# Altium PCB EDA-04211-V4_0_pcb.pcbdoc (part 10 of 12)
Units mm, origin at the board's own origin, x right, y up, seen from the top; angles counter-clockwise.
Board outline 304.8 x 128.5 mm, 14 copper layers (Top Layer, L2, L3GND, L4, L5GND, L6, L7GND, L8, L9GND, L10, L11GND, L12, L13GND, Bottom Layer), stack 4.06 mm thick; 143 components, 1224 nets, 5334 pads, 591 vias.
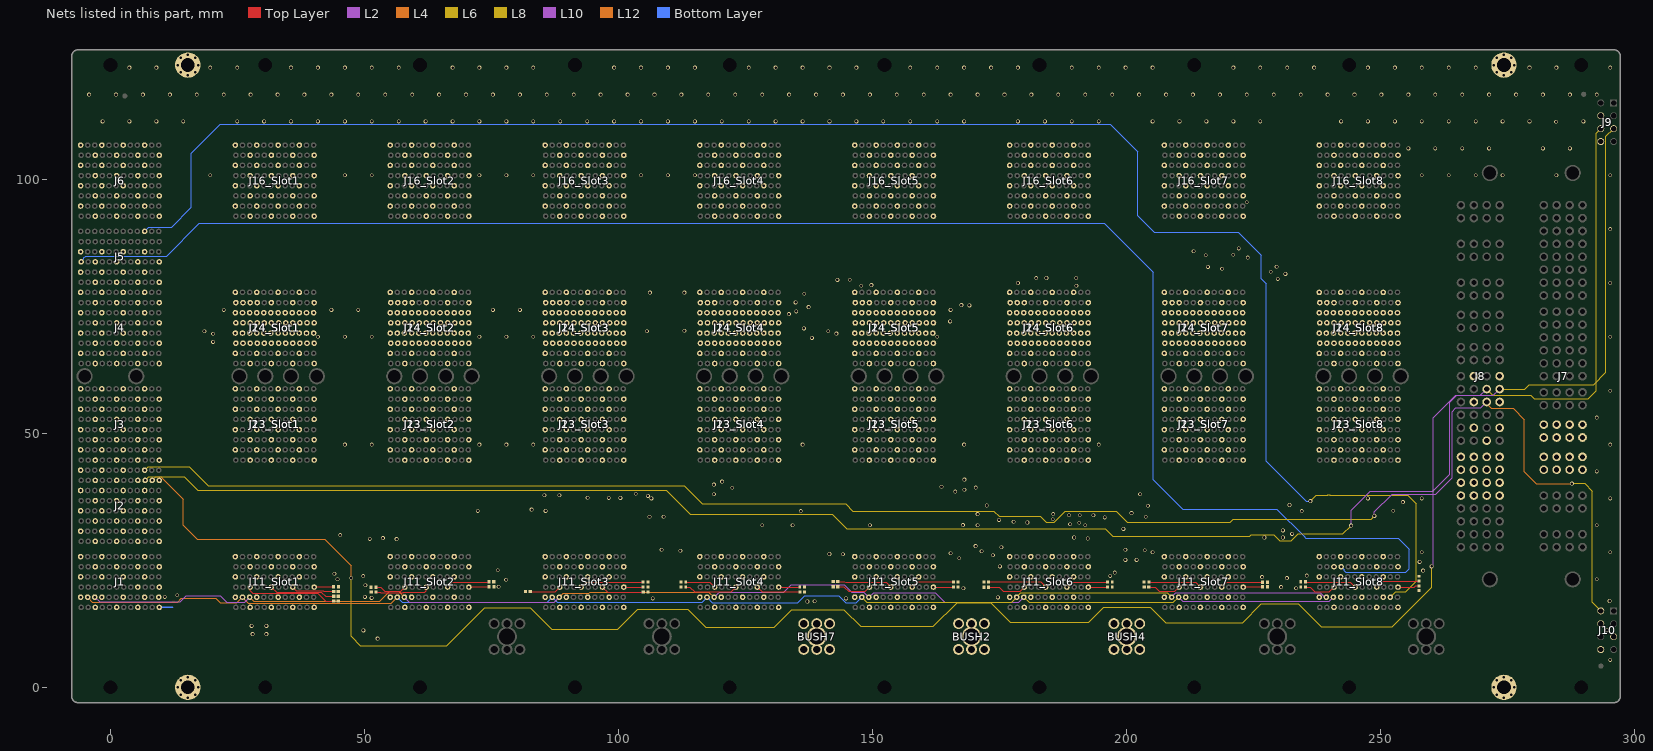
[diagram p22: the nets of this part, all layers, seen from the top]

## Via types
v1: diameter 0.75, hole 0.5, Top Layer to Bottom Layer, tented both sides, 549 vias
v2: diameter 0.85, hole 0.5, Top Layer to Bottom Layer, tented both sides, 32 vias
v3: diameter 1.3, hole 1, Top Layer to Bottom Layer, tented both sides, 10 vias

## Nets (pads, with @x,y where several pads share a name; then routed paths per layer and width w, separated by ;. In a path a pad name is that pad's centre, name@x,y a point inside that pad or via, vN(x,y) a via of type N, cw(c..) or ccw(c..) an arc to the next point about the centre after c; other vN are vias at no path point) (continued)
8_MGT_Tx_P: J5.A3 J11_Slot8.D5 | length 333.4
  Bottom Layer w0.15: J5.A3@-5.78,83.75 -5.206,84.324 -5.206,84.587 -4.884,84.91 11.118,84.91 17.529,91.321 195.649,91.321 205.25,81.72 205.25,40.876 211.042,35.084 229.628,35.084 234.891,29.822 235.342,29.371 253.54,29.371 255.694,27.217 255.694,26.912 255.694,24.217 255.694,23.351 255.023,22.68 243.175,22.68 242.871,22.984 242.871,23.139 J11_Slot8.D5@242.26,23.75
8_SERVMOD: J5.J6 J11_Slot8.K2 | length 349.5
  L8 w0.102: v1(236.211,36.661) 237.4,37.85 239.585,37.85 239.604,37.869 240.042,37.869 240.061,37.85 255.347,37.85 257.068,36.129 257.068,20.915 254.985,18.832 253.042,18.832 J11_Slot8.K2@251.96,17.75
  Bottom Layer w0.102: J5.J6@6.72,89.75 7.582,90.612 12.042,90.612 15.895,94.465 15.895,105.125 21.62,110.85 196.85,110.85 202.217,105.484 202.217,92.853 205.52,89.55 222.02,89.55 226.52,85.05 226.52,80.444 227.522,79.443 227.522,44.518 235.427,36.612 236.162,36.612 v1(236.211,36.661)
F_IO0: J2.K7 J8.B2 J9.6 | length 421.7
  L8 w0.15: J8.B2@270.93,58.72 272.15,57.5 279.6,57.5 280.3,56.8 290.9,56.8 292.5,58.4 292.5,109.098 J9.6@293.382,109.98
  L10 w0.102: v1(260.065,23.81) 260.42,24.165 260.42,53.086 264.82,57.486 269.696,57.486 J8.B2@270.93,58.72
  L12 w0.102: J2.K7@8.22,40.75 8.923,41.453 9.911,41.453 11.9,39.464 14.32,37.044 14.32,31.888 17.089,29.119 42.201,29.119 47.391,23.929 v1(47.391,21.524)
  L6 w0.102: v1(47.391,21.524) 47.391,10.044 49.211,8.224 66.19,8.224 73.64,15.674 82.598,15.674 86.848,11.424 99.845,11.424 103.79,15.369 113.637,15.369 117.15,11.856 130.68,11.856 134.117,15.293 144.396,15.293 147.706,11.983 161.973,11.983 166.655,16.664 173.327,16.664 177.17,12.821 192.58,12.821 195.56,15.801 204.696,15.801 207.752,12.745 222.882,12.745 226.548,16.41 233.855,16.41 238.308,11.957 252.346,11.957 260.065,19.676 v1(260.065,23.81)
F_IO1: J2.J8 J8.B3 J10.2 | length 347.3
  L2 w0.102: v1(248.82,33.75) 248.82,34.55 252.32,38.05 260.92,38.05 264.12,41.25 264.12,54.25 264.87,55 269.75,55 J8.B3@270.93,56.18
  L4 w0.15: J8.B3@270.93,56.18 270.93,55.822 271.852,54.9 276.114,54.9 278.31,52.705 278.31,42.432 280.642,40.1 v1(287.7,40.1)
  L6 w0.102: J2.J8@6.72,42.75 7.423,43.453 15.517,43.453 19.27,39.7 112.97,39.7 116.52,36.15 144.72,36.15 146.17,34.7 173.9,34.7 174.95,33.65 183.05,33.65 184.2,32.5 185.8,32.5 188,34.7 197.97,34.7 200.12,32.55 220.42,32.55 220.992,33.122 248.192,33.122 v1(248.82,33.75)
  L6 w0.15: v1(287.7,40.1) 287.732,40.132 290.21,40.132 291.7,38.642 291.7,16.742 J10.2@293.382,15.06
F_RST: J2.J7 J8.A2 J9.5 | length 365.7
  L2 w0.102: v1(244.22,31.85) 244.22,34.85 248.02,38.65 260.32,38.65 263.62,41.95 263.62,56.1 265.02,57.5 272.25,57.5 J8.A2@273.47,58.72
  L6 w0.102: J2.J7@6.82,40.75 7.523,41.453 14.516,41.453 17.169,38.8 109.37,38.8 114.12,34.05 142.12,34.05 144.92,31.25 195.82,31.25 197.32,29.75 224.32,29.75 224.598,30.028 228.962,30.028 230.14,28.85 232.45,28.85 233.85,30.25 242.62,30.25 v1(244.22,31.85)
  L6 w0.15: J8.A2@273.47,58.72 278.42,58.72 279.3,59.6 292,59.6 294.4,62 294.4,108.458 J9.5@295.922,109.98
"GA0_Peripheral Slot 1": C1.2 J11_Slot1.C3 | length 18
  Top Layer w0.102: J11_Slot1.C3@27.5,19.75 27.5,18.972 27.973,18.499 40.863,18.499 42.362,17 C1.2@43.95,17
"GA0_Peripheral Slot 2": J11_Slot2.C3 R2.2 | length 6.4
  Top Layer w0.102: R2.2@52.27,19.7 53.226,19.7 53.995,18.931 57.161,18.931 J11_Slot2.C3@57.98,19.75
"GA0_Peripheral Slot 3": C9.2 J11_Slot3.C3 | length 6.2
  Top Layer w0.102: C9.2@82.634,18.854 87.564,18.854 J11_Slot3.C3@88.46,19.75
"GA0_Peripheral Slot 4": J11_Slot4.C3 R6.2 | length 6.1
  Top Layer w0.102: R6.2@113.258,20.734 117.956,20.734 J11_Slot4.C3@118.94,19.75
"GA0_Peripheral Slot 5": C4.1 J11_Slot5.C3 | length 7
  Top Layer w0.102: C4.1@143.122,19.82 144.381,19.82 145.295,18.905 148.575,18.905 J11_Slot5.C3@149.42,19.75
"GA0_Peripheral Slot 6": J11_Slot6.C3 R11.1 | length 7.7
  Top Layer w0.102: R11.1@172.893,19.727 174.992,19.727 175.788,18.931 179.081,18.931 J11_Slot6.C3@179.9,19.75
"GA0_Peripheral Slot 7": C10.1 J11_Slot7.C3 | length 6.7
  Top Layer w0.102: C10.1@204.398,19.727 205.65,19.727 206.471,18.905 209.535,18.905 J11_Slot7.C3@210.38,19.75
"GA0_Peripheral Slot 8": J11_Slot8.C3 R17.1 | length 6.3
  Top Layer w0.102: R17.1@235.26,19.756 236.215,19.756 237.122,18.849 239.959,18.849 J11_Slot8.C3@240.86,19.75
"GA1_Peripheral Slot 1": C2.2 J11_Slot1.F3 | length 13
  Top Layer w0.102: J11_Slot1.F3@31.7,19.75 32.697,18.753 41.524,18.753 42.345,17.932 C2.2@43.951,17.932
"GA1_Peripheral Slot 2": C7.2 J11_Slot2.F3 | length 10.9
  Top Layer w0.102: C7.2@52.253,18.75 53.134,18.75 53.233,18.651 57.601,18.651 57.653,18.703 61.911,18.703 62.18,18.972 J11_Slot2.F3@62.18,19.75
"GA1_Peripheral Slot 3": J11_Slot3.F3 R4.2 | length 12.6
  Top Layer w0.102: J11_Slot3.F3@92.66,19.75 93.644,20.734 R4.2@104.877,20.734
"GA1_Peripheral Slot 4": J11_Slot4.F3 R7.2 | length 10.7
  Top Layer w0.102: R7.2@113.258,19.744 114.056,19.744 115,18.8 122.19,18.8 J11_Slot4.F3@123.14,19.75
"GA1_Peripheral Slot 5": C5.1 J11_Slot5.F3 | length 10.9
  Top Layer w0.102: C5.1@143.116,20.823 144.577,20.823 144.749,20.651 152.719,20.651 J11_Slot5.F3@153.62,19.75
"GA1_Peripheral Slot 6": C6.1 J11_Slot6.F3 | length 11.6
  Top Layer w0.102: C6.1@172.872,20.747 183.103,20.747 J11_Slot6.F3@184.1,19.75
"GA1_Peripheral Slot 7": J11_Slot7.F3 R14.1 | length 10.6
  Top Layer w0.102: R14.1@204.412,20.734 205.566,20.734 205.649,20.651 213.679,20.651 J11_Slot7.F3@214.58,19.75
"GA1_Peripheral Slot 8": J11_Slot8.F3 R18.1 | length 10.2
  Top Layer w0.102: R18.1@235.26,20.785 235.337,20.709 244.101,20.709 J11_Slot8.F3@245.06,19.75
"GA2_Peripheral Slot 1": C3.2 J11_Slot1.I3 | length 8.4
  Top Layer w0.102: J11_Slot1.I3@35.9,19.75 36.626,19.024 41.888,19.024 42.012,18.9 C3.2@43.95,18.9
"GA2_Peripheral Slot 2": C8.2 J11_Slot2.I3 | length 8.5
  Top Layer w0.102: J11_Slot2.I3@66.38,19.75 67.331,20.701 C8.2@74.501,20.701
"GA2_Peripheral Slot 3": C11.2 J11_Slot3.I3 | length 8.4
  Top Layer w0.102: J11_Slot3.I3@96.86,19.75 97.857,18.753 C11.2@104.877,18.753
"GA2_Peripheral Slot 4": C12.2 J11_Slot4.I3 | length 8.8
  Top Layer w0.102: J11_Slot4.I3@127.34,19.75 128.312,18.778 C12.2@135.719,18.778
"GA2_Peripheral Slot 5": J11_Slot5.I3 R9.1 | length 8.5
  Top Layer w0.102: J11_Slot5.I3@157.82,19.75 158.817,20.747 R9.1@165.926,20.747
"GA2_Peripheral Slot 6": J11_Slot6.I3 R12.1 | length 8.4
  Top Layer w0.102: J11_Slot6.I3@188.3,19.75 189.259,20.709 R12.1@196.274,20.709
"GA2_Peripheral Slot 7": J11_Slot7.I3 R15.1 | length 8.5
  Top Layer w0.102: J11_Slot7.I3@218.78,19.75 219.764,20.734 R15.1@226.83,20.734
"GA2_Peripheral Slot 8": J11_Slot8.I3 R19.1 | length 8.8
  Top Layer w0.102: J11_Slot8.I3@249.26,19.75 250.44,20.93 R19.1@257.6,20.93
"GA3_Peripheral Slot 1": J11_Slot1.L3 R1.2 | length 3.9
  Top Layer w0.102: J11_Slot1.L3@40.1,19.75 40.15,19.8 R1.2@43.93,19.8
"GA3_Peripheral Slot 2": J11_Slot2.L3 R3.2 | length 4
  Top Layer w0.102: J11_Slot2.L3@70.58,19.75 70.63,19.8 R3.2@74.53,19.8
"GA3_Peripheral Slot 3": J11_Slot3.L3 R5.2 | length 3.8
  Top Layer w0.102: J11_Slot3.L3@101.06,19.75 R5.2@104.864,19.75
"GA3_Peripheral Slot 4": J11_Slot4.L3 R8.2 | length 4.2
  Top Layer w0.102: J11_Slot4.L3@131.54,19.75 135.692,19.75 R8.2@135.699,19.744
"GA3_Peripheral Slot 5": J11_Slot5.L3 R10.1 | length 3.9
  Top Layer w0.102: J11_Slot5.L3@162.02,19.75 R10.1@165.926,19.75
"GA3_Peripheral Slot 6": J11_Slot6.L3 R13.1 | length 3.8
  Top Layer w0.102: J11_Slot6.L3@192.5,19.75 R13.1@196.275,19.75
"GA3_Peripheral Slot 7": J11_Slot7.L3 R16.1 | length 3.9
  Top Layer w0.102: J11_Slot7.L3@222.98,19.75 223.03,19.8 R16.1@226.83,19.8
"GA3_Peripheral Slot 8": J11_Slot8.L3 R20.1 | length 4.2
  Top Layer w0.102: J11_Slot8.L3@253.46,19.75 256.7,19.75 256.92,19.97 R20.1@257.6,19.97
GND: B1.1 B2.1 B3.1 B4.1 BUSH2.1 BUSH4.1 BUSH7.1 C1.1 C2.1 C3.1 C4.2 C5.2 C6.2 C7.1 C8.1 C9.1 C10.2 C11.1 C12.1 J1.A2 J1.A4 J1.A6 J1.C1 J1.C5 J1.D2 J1.D4 J1.D6 J1.F1 J1.F5 J1.G2 J1.G4 J1.G6 J1.I1 J1.I3 J1.I5 J1.J2 J1.J4 J1.J6 J1.L1 J1.L2 J1.L3 J1.L5 J2.A2 J2.A4 J2.A6 J2.A8 J2.C1 J2.C3 J2.C5 J2.C7 J2.D2 J2.D4 J2.D6 J2.D8 J2.F1 J2.F3 J2.F5 J2.F7 J2.G2 J2.G4 J2.G6 J2.G8 J2.I1 J2.I3 J2.I5 J2.I7 J2.J2 J2.J4 J2.J6 J2.L1 J2.L3 J2.L5 J2.L7 J3.A2 J3.A4 J3.A6 J3.A8 J3.C1 J3.C3 J3.C5 J3.C7 J3.D2 J3.D4 J3.D6 J3.D8 J3.F1 J3.F3 J3.F5 J3.F7 J3.G2 J3.G4 J3.G6 J3.G8 J3.I1 J3.I3 J3.I5 J3.I7 J3.J2 J3.J4 J3.J6 J3.J8 J3.L1 J3.L3 J3.L5 J3.L7 J4.A2 J4.A4 J4.A6 J4.A8 J4.C1 J4.C3 J4.C5 J4.C7 J4.D2 J4.D4 J4.D6 J4.D8 J4.F1 J4.F3 J4.F5 J4.F7 J4.G2 J4.G4 J4.G6 J4.G8 J4.I1 J4.I3 J4.I5 J4.I7 J4.J2 J4.J4 J4.J6 J4.J8 J4.L1 J4.L3 J4.L5 J4.L7 J5.A2 J5.A4 J5.C1 J5.C3 J5.D2 J5.D4 J5.F1 J5.F3 J5.G2 J5.G4 J5.I1 J5.I3 J5.J2 J5.J4 J5.L1 J5.L3 J6.A2 J6.A4 J6.A6 J6.A8 J6.C1 J6.C3 J6.C5 J6.C7 J6.D2 J6.D4 J6.D6 J6.D8 J6.F1 J6.F3 J6.F5 J6.F7 J6.G2 J6.G4 J6.G6 J6.G8 J6.I1 J6.I3 J6.I5 J6.I7 J6.J2 J6.J4 J6.J6 J6.J8 J6.L1 J6.L3 J6.L5 J6.L7 J7.P3 J7.P4 J8.A1 J8.A3 J8.A5 J8.B6 J8.C1 J8.C3 J8.C5 J8.P6 J8.P7 J9.4 J9.8 J10.4 J10.5 J10.8 J11_Slot1.A2 J11_Slot1.A4 J11_Slot1.A6 J11_Slot1.C1 J11_Slot1.C5 J11_Slot1.D2 J11_Slot1.D4 J11_Slot1.D6 J11_Slot1.F1 J11_Slot1.F5 J11_Slot1.G2 J11_Slot1.G4 J11_Slot1.G6 J11_Slot1.I1 J11_Slot1.I5 J11_Slot1.J2 J11_Slot1.J4 J11_Slot1.J6 J11_Slot1.L1 J11_Slot1.L5 J11_Slot2.A2 J11_Slot2.A4 J11_Slot2.A6 J11_Slot2.C1 J11_Slot2.C5 J11_Slot2.D2 J11_Slot2.D4 J11_Slot2.D6 J11_Slot2.F1 J11_Slot2.F5 J11_Slot2.G2 J11_Slot2.G4 J11_Slot2.G6 J11_Slot2.I1 J11_Slot2.I5 J11_Slot2.J2 J11_Slot2.J4 J11_Slot2.J6 J11_Slot2.L1 J11_Slot2.L5 J11_Slot3.A2 J11_Slot3.A4 J11_Slot3.A6 J11_Slot3.C1 J11_Slot3.C5 J11_Slot3.D2 J11_Slot3.D4 J11_Slot3.D6 J11_Slot3.F1 J11_Slot3.F5 J11_Slot3.G2 J11_Slot3.G4 J11_Slot3.G6 J11_Slot3.I1 J11_Slot3.I5 J11_Slot3.J2 J11_Slot3.J4 J11_Slot3.J6 J11_Slot3.L1 J11_Slot3.L5 J11_Slot4.A2 J11_Slot4.A4 J11_Slot4.A6 J11_Slot4.C1 J11_Slot4.C5 J11_Slot4.D2 J11_Slot4.D4 J11_Slot4.D6 J11_Slot4.F1 J11_Slot4.F5 J11_Slot4.G2 J11_Slot4.G4 J11_Slot4.G6 J11_Slot4.I1 J11_Slot4.I5 J11_Slot4.J2 J11_Slot4.J4 J11_Slot4.J6 J11_Slot4.L1 J11_Slot4.L5 J11_Slot5.A2 J11_Slot5.A4 J11_Slot5.A6 J11_Slot5.C1 J11_Slot5.C5 J11_Slot5.D2 J11_Slot5.D4 J11_Slot5.D6 J11_Slot5.F1 J11_Slot5.F5 J11_Slot5.G2 J11_Slot5.G4 J11_Slot5.G6 J11_Slot5.I1 J11_Slot5.I5 J11_Slot5.J2 J11_Slot5.J4 J11_Slot5.J6 J11_Slot5.L1 J11_Slot5.L5 J11_Slot6.A2 J11_Slot6.A4 J11_Slot6.A6 J11_Slot6.C1 J11_Slot6.C5 J11_Slot6.D2 J11_Slot6.D4 J11_Slot6.D6 J11_Slot6.F1 J11_Slot6.F5 J11_Slot6.G2 J11_Slot6.G4 J11_Slot6.G6 J11_Slot6.I1 J11_Slot6.I5 J11_Slot6.J2 J11_Slot6.J4 J11_Slot6.J6 J11_Slot6.L1 J11_Slot6.L5 J11_Slot7.A2 J11_Slot7.A4 J11_Slot7.A6 J11_Slot7.C1 J11_Slot7.C5 J11_Slot7.D2 J11_Slot7.D4 J11_Slot7.D6 J11_Slot7.F1 J11_Slot7.F5 J11_Slot7.G2 J11_Slot7.G4 J11_Slot7.G6 J11_Slot7.I1 J11_Slot7.I5 J11_Slot7.J2 J11_Slot7.J4 J11_Slot7.J6 J11_Slot7.L1 J11_Slot7.L5 J11_Slot8.A2 J11_Slot8.A4 J11_Slot8.A6 J11_Slot8.C1 J11_Slot8.C5 J11_Slot8.D2 J11_Slot8.D4 J11_Slot8.D6 J11_Slot8.F1 J11_Slot8.F5 J11_Slot8.G2 J11_Slot8.G4 J11_Slot8.G6 J11_Slot8.I1 J11_Slot8.I5 J11_Slot8.J2 J11_Slot8.J4 J11_Slot8.J6 J11_Slot8.L1 J11_Slot8.L5 J13_Slot1.A2 J13_Slot1.A4 J13_Slot1.A6 J13_Slot1.A8 J13_Slot1.C1 J13_Slot1.C3 J13_Slot1.C5 J13_Slot1.C7 J13_Slot1.D2 J13_Slot1.D4 J13_Slot1.D6 J13_Slot1.D8 J13_Slot1.F1 J13_Slot1.F3 J13_Slot1.F5 J13_Slot1.F7 J13_Slot1.G2 J13_Slot1.G4 J13_Slot1.G6 J13_Slot1.G8 J13_Slot1.I1 J13_Slot1.I3 J13_Slot1.I5 J13_Slot1.I7 J13_Slot1.J2 J13_Slot1.J4 J13_Slot1.J6 J13_Slot1.J8 J13_Slot1.L1 J13_Slot1.L3 J13_Slot1.L5 J13_Slot1.L7 J13_Slot2.A2 J13_Slot2.A4 J13_Slot2.A6 J13_Slot2.A8 J13_Slot2.C1 J13_Slot2.C3 J13_Slot2.C5 J13_Slot2.C7 J13_Slot2.D2 J13_Slot2.D4 J13_Slot2.D6 J13_Slot2.D8 J13_Slot2.F1 J13_Slot2.F3 J13_Slot2.F5 J13_Slot2.F7 J13_Slot2.G2 J13_Slot2.G4 J13_Slot2.G6 J13_Slot2.G8 J13_Slot2.I1 J13_Slot2.I3 J13_Slot2.I5 J13_Slot2.I7 J13_Slot2.J2 J13_Slot2.J4 J13_Slot2.J6 J13_Slot2.J8 J13_Slot2.L1 J13_Slot2.L3 J13_Slot2.L5 J13_Slot2.L7 J13_Slot3.A2 J13_Slot3.A4 J13_Slot3.A6 J13_Slot3.A8 J13_Slot3.C1 J13_Slot3.C3 J13_Slot3.C5 J13_Slot3.C7 J13_Slot3.D2 J13_Slot3.D4 J13_Slot3.D6 J13_Slot3.D8 J13_Slot3.F1 J13_Slot3.F3 J13_Slot3.F5 J13_Slot3.F7 J13_Slot3.G2 J13_Slot3.G4 J13_Slot3.G6 J13_Slot3.G8 J13_Slot3.I1 J13_Slot3.I3 J13_Slot3.I5 J13_Slot3.I7 J13_Slot3.J2 J13_Slot3.J4 J13_Slot3.J6 J13_Slot3.J8 J13_Slot3.L1 J13_Slot3.L3 J13_Slot3.L5 J13_Slot3.L7 J13_Slot4.A2 J13_Slot4.A4 J13_Slot4.A6 J13_Slot4.A8 J13_Slot4.C1 J13_Slot4.C3 J13_Slot4.C5 J13_Slot4.C7 J13_Slot4.D2 J13_Slot4.D4 J13_Slot4.D6 J13_Slot4.D8 J13_Slot4.F1 J13_Slot4.F3 J13_Slot4.F5 J13_Slot4.F7 J13_Slot4.G2 J13_Slot4.G4 J13_Slot4.G6 J13_Slot4.G8 J13_Slot4.I1 J13_Slot4.I3 J13_Slot4.I5 J13_Slot4.I7 J13_Slot4.J2 J13_Slot4.J4 J13_Slot4.J6 J13_Slot4.J8 J13_Slot4.L1 J13_Slot4.L3 J13_Slot4.L5 J13_Slot4.L7 J13_Slot5.A2 J13_Slot5.A4 J13_Slot5.A6 J13_Slot5.A8 J13_Slot5.C1 J13_Slot5.C3 J13_Slot5.C5 J13_Slot5.C7 J13_Slot5.D2 J13_Slot5.D4 J13_Slot5.D6 J13_Slot5.D8 J13_Slot5.F1 J13_Slot5.F3 J13_Slot5.F5 J13_Slot5.F7 J13_Slot5.G2 J13_Slot5.G4 J13_Slot5.G6 J13_Slot5.G8 J13_Slot5.I1 J13_Slot5.I3 J13_Slot5.I5 J13_Slot5.I7 J13_Slot5.J2 J13_Slot5.J4 J13_Slot5.J6 J13_Slot5.J8 J13_Slot5.L1 J13_Slot5.L3 J13_Slot5.L5 J13_Slot5.L7 J13_Slot6.A2 J13_Slot6.A4 J13_Slot6.A6 J13_Slot6.A8 J13_Slot6.C1 J13_Slot6.C3 J13_Slot6.C5 J13_Slot6.C7 J13_Slot6.D2 J13_Slot6.D4 J13_Slot6.D6 J13_Slot6.D8 J13_Slot6.F1 J13_Slot6.F3 J13_Slot6.F5 J13_Slot6.F7 J13_Slot6.G2 J13_Slot6.G4 J13_Slot6.G6 J13_Slot6.G8 J13_Slot6.I1 J13_Slot6.I3 J13_Slot6.I5 J13_Slot6.I7 J13_Slot6.J2 J13_Slot6.J4 J13_Slot6.J6 J13_Slot6.J8 J13_Slot6.L1 J13_Slot6.L3 J13_Slot6.L5 J13_Slot6.L7 J13_Slot7.A2 J13_Slot7.A4 J13_Slot7.A6 J13_Slot7.A8 J13_Slot7.C1 J13_Slot7.C3 J13_Slot7.C5 J13_Slot7.C7 J13_Slot7.D2 J13_Slot7.D4 J13_Slot7.D6 J13_Slot7.D8 J13_Slot7.F1 J13_Slot7.F3 J13_Slot7.F5 J13_Slot7.F7 J13_Slot7.G2 J13_Slot7.G4 J13_Slot7.G6 J13_Slot7.G8 J13_Slot7.I1 J13_Slot7.I3 J13_Slot7.I5 J13_Slot7.I7 J13_Slot7.J2 J13_Slot7.J4 J13_Slot7.J6 J13_Slot7.J8 J13_Slot7.L1 J13_Slot7.L3 J13_Slot7.L5 J13_Slot7.L7 J13_Slot8.A2 J13_Slot8.A4 J13_Slot8.A6 J13_Slot8.A8 J13_Slot8.C1 J13_Slot8.C3 J13_Slot8.C5 J13_Slot8.C7 J13_Slot8.D2 J13_Slot8.D4 J13_Slot8.D6 J13_Slot8.D8 J13_Slot8.F1 J13_Slot8.F3 J13_Slot8.F5 J13_Slot8.F7 J13_Slot8.G2 J13_Slot8.G4 J13_Slot8.G6 J13_Slot8.G8 J13_Slot8.I1 J13_Slot8.I3 J13_Slot8.I5 J13_Slot8.I7 J13_Slot8.J2 J13_Slot8.J4 J13_Slot8.J6 J13_Slot8.J8 J13_Slot8.L1 J13_Slot8.L3 J13_Slot8.L5 J13_Slot8.L7 J14_Slot1.A2 J14_Slot1.A4 J14_Slot1.A6 J14_Slot1.A8 J14_Slot1.C1 J14_Slot1.C3 J14_Slot1.C5 J14_Slot1.C7 J14_Slot1.D2 J14_Slot1.D4 J14_Slot1.D6 J14_Slot1.D8 J14_Slot1.F1 J14_Slot1.F3 J14_Slot1.F5 J14_Slot1.F7 J14_Slot1.G2 J14_Slot1.G4 J14_Slot1.G6 J14_Slot1.G8 J14_Slot1.I1 J14_Slot1.I3 J14_Slot1.I5 J14_Slot1.I7 J14_Slot1.J2 J14_Slot1.J4 J14_Slot1.J6 J14_Slot1.J8 J14_Slot1.L1 J14_Slot1.L3 J14_Slot1.L5 J14_Slot1.L7 J14_Slot2.A2 J14_Slot2.A4 J14_Slot2.A6 J14_Slot2.A8 J14_Slot2.C1 J14_Slot2.C3 J14_Slot2.C5 J14_Slot2.C7 J14_Slot2.D2 J14_Slot2.D4 J14_Slot2.D6 J14_Slot2.D8 J14_Slot2.F1 J14_Slot2.F3 J14_Slot2.F5 J14_Slot2.F7 J14_Slot2.G2 J14_Slot2.G4 J14_Slot2.G6 J14_Slot2.G8 J14_Slot2.I1 J14_Slot2.I3 J14_Slot2.I5 J14_Slot2.I7 J14_Slot2.J2 J14_Slot2.J4 J14_Slot2.J6 J14_Slot2.J8 J14_Slot2.L1 J14_Slot2.L3 J14_Slot2.L5 J14_Slot2.L7 J14_Slot3.A2 J14_Slot3.A4 J14_Slot3.A6 J14_Slot3.A8 J14_Slot3.C1 J14_Slot3.C3 J14_Slot3.C5 J14_Slot3.C7 J14_Slot3.D2 J14_Slot3.D4 J14_Slot3.D6 J14_Slot3.D8 J14_Slot3.F1 J14_Slot3.F3 J14_Slot3.F5 J14_Slot3.F7 J14_Slot3.G2 J14_Slot3.G4 J14_Slot3.G6 J14_Slot3.G8 J14_Slot3.I1 J14_Slot3.I3 J14_Slot3.I5 J14_Slot3.I7 J14_Slot3.J2 J14_Slot3.J4 J14_Slot3.J6 J14_Slot3.J8 J14_Slot3.L1 J14_Slot3.L3 J14_Slot3.L5 J14_Slot3.L7 J14_Slot4.A2 J14_Slot4.A4 J14_Slot4.A6 J14_Slot4.A8 J14_Slot4.C1 J14_Slot4.C3 J14_Slot4.C5 J14_Slot4.C7 J14_Slot4.D2 J14_Slot4.D4 J14_Slot4.D6 J14_Slot4.D8 J14_Slot4.F1 J14_Slot4.F3 J14_Slot4.F5 J14_Slot4.F7 J14_Slot4.G2 J14_Slot4.G4 J14_Slot4.G6 J14_Slot4.G8 J14_Slot4.I1 J14_Slot4.I3 J14_Slot4.I5 J14_Slot4.I7 J14_Slot4.J2 J14_Slot4.J4 J14_Slot4.J6 J14_Slot4.J8 J14_Slot4.L1 J14_Slot4.L3 J14_Slot4.L5 J14_Slot4.L7 J14_Slot5.A2 J14_Slot5.A4 J14_Slot5.A6 J14_Slot5.A8 J14_Slot5.C1 J14_Slot5.C3 J14_Slot5.C5 J14_Slot5.C7 J14_Slot5.D2 J14_Slot5.D4 J14_Slot5.D6 J14_Slot5.D8 J14_Slot5.F1 J14_Slot5.F3 J14_Slot5.F5 J14_Slot5.F7 J14_Slot5.G2 J14_Slot5.G4 J14_Slot5.G6 J14_Slot5.G8 J14_Slot5.I1 J14_Slot5.I3 J14_Slot5.I5 J14_Slot5.I7 J14_Slot5.J2 J14_Slot5.J4 J14_Slot5.J6 J14_Slot5.J8 J14_Slot5.L1 J14_Slot5.L3 J14_Slot5.L5 J14_Slot5.L7 J14_Slot6.A2 J14_Slot6.A4 J14_Slot6.A6 J14_Slot6.A8 J14_Slot6.C1 J14_Slot6.C3 J14_Slot6.C5 J14_Slot6.C7 J14_Slot6.D2 J14_Slot6.D4 J14_Slot6.D6 J14_Slot6.D8 J14_Slot6.F1 J14_Slot6.F3 J14_Slot6.F5 J14_Slot6.F7 J14_Slot6.G2 J14_Slot6.G4 J14_Slot6.G6 J14_Slot6.G8 J14_Slot6.I1 J14_Slot6.I3 J14_Slot6.I5 J14_Slot6.I7 J14_Slot6.J2 J14_Slot6.J4 J14_Slot6.J6 J14_Slot6.J8 J14_Slot6.L1 J14_Slot6.L3 J14_Slot6.L5 J14_Slot6.L7 J14_Slot7.A2 J14_Slot7.A4 J14_Slot7.A6 J14_Slot7.A8 J14_Slot7.C1 J14_Slot7.C3 J14_Slot7.C5 J14_Slot7.C7 J14_Slot7.D2 J14_Slot7.D4 J14_Slot7.D6 J14_Slot7.D8 J14_Slot7.F1 J14_Slot7.F3 J14_Slot7.F5 J14_Slot7.F7 J14_Slot7.G2 J14_Slot7.G4 J14_Slot7.G6 J14_Slot7.G8 J14_Slot7.I1 J14_Slot7.I3 J14_Slot7.I5 J14_Slot7.I7 J14_Slot7.J2 J14_Slot7.J4 J14_Slot7.J6 J14_Slot7.J8 J14_Slot7.L1 J14_Slot7.L3 J14_Slot7.L5 J14_Slot7.L7 J14_Slot8.A2 J14_Slot8.A4 J14_Slot8.A6 J14_Slot8.A8 J14_Slot8.C1 J14_Slot8.C3 J14_Slot8.C5 J14_Slot8.C7 J14_Slot8.D2 J14_Slot8.D4 J14_Slot8.D6 J14_Slot8.D8 J14_Slot8.F1 J14_Slot8.F3 J14_Slot8.F5 J14_Slot8.F7 J14_Slot8.G2 J14_Slot8.G4 J14_Slot8.G6 J14_Slot8.G8 J14_Slot8.I1 J14_Slot8.I3 J14_Slot8.I5 J14_Slot8.I7 J14_Slot8.J2 J14_Slot8.J4 J14_Slot8.J6 J14_Slot8.J8 J14_Slot8.L1 J14_Slot8.L3 J14_Slot8.L5 J14_Slot8.L7 J16_Slot1.A2 J16_Slot1.A4 J16_Slot1.A6 J16_Slot1.A8 J16_Slot1.C1 J16_Slot1.C3 J16_Slot1.C5 J16_Slot1.C7 J16_Slot1.D2 J16_Slot1.D4 J16_Slot1.D6 J16_Slot1.D8 J16_Slot1.F1 J16_Slot1.F3 J16_Slot1.F5 J16_Slot1.F7 J16_Slot1.G2 J16_Slot1.G4 J16_Slot1.G6 J16_Slot1.G8 J16_Slot1.I1 J16_Slot1.I3 J16_Slot1.I5 J16_Slot1.I7 J16_Slot1.J2 J16_Slot1.J4 J16_Slot1.J6 J16_Slot1.J8 J16_Slot1.L1 J16_Slot1.L3 J16_Slot1.L5 J16_Slot1.L7 J16_Slot2.A2 J16_Slot2.A4 J16_Slot2.A6 J16_Slot2.A8 J16_Slot2.C1 J16_Slot2.C3 J16_Slot2.C5 J16_Slot2.C7 J16_Slot2.D2 J16_Slot2.D4 J16_Slot2.D6 J16_Slot2.D8 J16_Slot2.F1 J16_Slot2.F3 J16_Slot2.F5 J16_Slot2.F7 J16_Slot2.G2 J16_Slot2.G4 J16_Slot2.G6 J16_Slot2.G8 J16_Slot2.I1 J16_Slot2.I3 J16_Slot2.I5 J16_Slot2.I7 J16_Slot2.J2 J16_Slot2.J4 J16_Slot2.J6 J16_Slot2.J8 J16_Slot2.L1 J16_Slot2.L3 J16_Slot2.L5 J16_Slot2.L7 J16_Slot3.A2 J16_Slot3.A4 J16_Slot3.A6 J16_Slot3.A8 J16_Slot3.C1 J16_Slot3.C3 J16_Slot3.C5 J16_Slot3.C7 J16_Slot3.D2 J16_Slot3.D4 J16_Slot3.D6 J16_Slot3.D8 J16_Slot3.F1 J16_Slot3.F3 J16_Slot3.F5 J16_Slot3.F7 J16_Slot3.G2 J16_Slot3.G4 J16_Slot3.G6 J16_Slot3.G8 J16_Slot3.I1 J16_Slot3.I3 J16_Slot3.I5 J16_Slot3.I7 J16_Slot3.J2 J16_Slot3.J4 J16_Slot3.J6 J16_Slot3.J8 J16_Slot3.L1 J16_Slot3.L3 J16_Slot3.L5 J16_Slot3.L7 J16_Slot4.A2 J16_Slot4.A4 J16_Slot4.A6 J16_Slot4.A8 J16_Slot4.C1 J16_Slot4.C3 J16_Slot4.C5 J16_Slot4.C7 J16_Slot4.D2 J16_Slot4.D4 J16_Slot4.D6 J16_Slot4.D8 J16_Slot4.F1 J16_Slot4.F3 J16_Slot4.F5 J16_Slot4.F7 J16_Slot4.G2 J16_Slot4.G4 J16_Slot4.G6 J16_Slot4.G8 J16_Slot4.I1 J16_Slot4.I3 J16_Slot4.I5 J16_Slot4.I7 J16_Slot4.J2 J16_Slot4.J4 J16_Slot4.J6 J16_Slot4.J8 J16_Slot4.L1 J16_Slot4.L3 J16_Slot4.L5 J16_Slot4.L7 J16_Slot5.A2 J16_Slot5.A4 J16_Slot5.A6 J16_Slot5.A8 J16_Slot5.C1 J16_Slot5.C3 J16_Slot5.C5 J16_Slot5.C7 J16_Slot5.D2 J16_Slot5.D4 J16_Slot5.D6 J16_Slot5.D8 J16_Slot5.F1 J16_Slot5.F3 J16_Slot5.F5 J16_Slot5.F7 J16_Slot5.G2 J16_Slot5.G4 J16_Slot5.G6 J16_Slot5.G8 J16_Slot5.I1 J16_Slot5.I3 J16_Slot5.I5 J16_Slot5.I7 J16_Slot5.J2 J16_Slot5.J4 J16_Slot5.J6 J16_Slot5.J8 J16_Slot5.L1 J16_Slot5.L3 J16_Slot5.L5 J16_Slot5.L7 J16_Slot6.A2 J16_Slot6.A4 J16_Slot6.A6 J16_Slot6.A8 J16_Slot6.C1 J16_Slot6.C3 J16_Slot6.C5 J16_Slot6.C7 J16_Slot6.D2 J16_Slot6.D4 J16_Slot6.D6 J16_Slot6.D8 J16_Slot6.F1 J16_Slot6.F3 J16_Slot6.F5 J16_Slot6.F7 J16_Slot6.G2 J16_Slot6.G4 J16_Slot6.G6 J16_Slot6.G8 J16_Slot6.I1 J16_Slot6.I3 J16_Slot6.I5 J16_Slot6.I7 J16_Slot6.J2 J16_Slot6.J4 J16_Slot6.J6 J16_Slot6.J8 J16_Slot6.L1 J16_Slot6.L3 J16_Slot6.L5 J16_Slot6.L7 J16_Slot7.A2 J16_Slot7.A4 J16_Slot7.A6 J16_Slot7.A8 J16_Slot7.C1 J16_Slot7.C3 J16_Slot7.C5 J16_Slot7.C7 J16_Slot7.D2 J16_Slot7.D4 J16_Slot7.D6 J16_Slot7.D8 J16_Slot7.F1 J16_Slot7.F3 J16_Slot7.F5 J16_Slot7.F7 J16_Slot7.G2 J16_Slot7.G4 J16_Slot7.G6 J16_Slot7.G8 J16_Slot7.I1 J16_Slot7.I3 J16_Slot7.I5 J16_Slot7.I7 J16_Slot7.J2 J16_Slot7.J4 J16_Slot7.J6 J16_Slot7.J8 J16_Slot7.L1 J16_Slot7.L3 J16_Slot7.L5 J16_Slot7.L7 J16_Slot8.A2 J16_Slot8.A4 J16_Slot8.A6 J16_Slot8.A8 J16_Slot8.C1 J16_Slot8.C3 J16_Slot8.C5 J16_Slot8.C7 J16_Slot8.D2 J16_Slot8.D4 J16_Slot8.D6 J16_Slot8.D8 J16_Slot8.F1 J16_Slot8.F3 J16_Slot8.F5 J16_Slot8.F7 J16_Slot8.G2 J16_Slot8.G4 J16_Slot8.G6 J16_Slot8.G8 J16_Slot8.I1 J16_Slot8.I3 J16_Slot8.I5 J16_Slot8.I7 J16_Slot8.J2 J16_Slot8.J4 J16_Slot8.J6 J16_Slot8.J8 J16_Slot8.L1 J16_Slot8.L3 J16_Slot8.L5 J16_Slot8.L7 J23_Slot1.A2 J23_Slot1.A4 J23_Slot1.A6 J23_Slot1.A8 J23_Slot1.C1 J23_Slot1.C3 J23_Slot1.C5 J23_Slot1.C7 J23_Slot1.D2 J23_Slot1.D4 J23_Slot1.D6 J23_Slot1.D8 J23_Slot1.F1 J23_Slot1.F3 J23_Slot1.F5 J23_Slot1.F7 J23_Slot1.G2 J23_Slot1.G4 J23_Slot1.G6 J23_Slot1.G8 J23_Slot1.I1 J23_Slot1.I3 J23_Slot1.I5 J23_Slot1.I7 J23_Slot1.J2 J23_Slot1.J4 J23_Slot1.J6 J23_Slot1.J8 J23_Slot1.L1 J23_Slot1.L3 J23_Slot1.L5 J23_Slot1.L7 J23_Slot2.A2 J23_Slot2.A4 J23_Slot2.A6 J23_Slot2.A8 J23_Slot2.C1 J23_Slot2.C3 J23_Slot2.C5 J23_Slot2.C7 J23_Slot2.D2 J23_Slot2.D4 J23_Slot2.D6 J23_Slot2.D8 J23_Slot2.F1 J23_Slot2.F3 J23_Slot2.F5 J23_Slot2.F7 J23_Slot2.G2 J23_Slot2.G4 J23_Slot2.G6 J23_Slot2.G8 J23_Slot2.I1 J23_Slot2.I3 J23_Slot2.I5 J23_Slot2.I7 J23_Slot2.J2 J23_Slot2.J4 J23_Slot2.J6 J23_Slot2.J8 J23_Slot2.L1 J23_Slot2.L3 J23_Slot2.L5 J23_Slot2.L7 J23_Slot3.A2 J23_Slot3.A4 J23_Slot3.A6 J23_Slot3.A8 J23_Slot3.C1 J23_Slot3.C3 J23_Slot3.C5 J23_Slot3.C7 J23_Slot3.D2 J23_Slot3.D4 J23_Slot3.D6 J23_Slot3.D8 J23_Slot3.F1 J23_Slot3.F3 J23_Slot3.F5 J23_Slot3.F7 J23_Slot3.G2 J23_Slot3.G4 J23_Slot3.G6 J23_Slot3.G8 J23_Slot3.I1 J23_Slot3.I3 J23_Slot3.I5 J23_Slot3.I7 J23_Slot3.J2 J23_Slot3.J4 J23_Slot3.J6 J23_Slot3.J8 J23_Slot3.L1 J23_Slot3.L3 J23_Slot3.L5 J23_Slot3.L7 J23_Slot4.A2 J23_Slot4.A4 J23_Slot4.A6 J23_Slot4.A8 J23_Slot4.C1 J23_Slot4.C3 J23_Slot4.C5 J23_Slot4.C7 J23_Slot4.D2 J23_Slot4.D4 J23_Slot4.D6 J23_Slot4.D8 J23_Slot4.F1 J23_Slot4.F3 J23_Slot4.F5 J23_Slot4.F7 J23_Slot4.G2 J23_Slot4.G4 J23_Slot4.G6 J23_Slot4.G8 J23_Slot4.I1 J23_Slot4.I3 J23_Slot4.I5 J23_Slot4.I7 J23_Slot4.J2 J23_Slot4.J4 J23_Slot4.J6 J23_Slot4.J8 J23_Slot4.L1 J23_Slot4.L3 J23_Slot4.L5 J23_Slot4.L7 J23_Slot5.A2 J23_Slot5.A4 J23_Slot5.A6 J23_Slot5.A8 J23_Slot5.C1 J23_Slot5.C3 J23_Slot5.C5 J23_Slot5.C7 J23_Slot5.D2 J23_Slot5.D4 J23_Slot5.D6 J23_Slot5.D8 J23_Slot5.F1 J23_Slot5.F3 J23_Slot5.F5 J23_Slot5.F7 J23_Slot5.G2 J23_Slot5.G4 J23_Slot5.G6 J23_Slot5.G8 J23_Slot5.I1 J23_Slot5.I3 J23_Slot5.I5 J23_Slot5.I7 J23_Slot5.J2 J23_Slot5.J4 J23_Slot5.J6 J23_Slot5.J8 J23_Slot5.L1 J23_Slot5.L3 J23_Slot5.L5 J23_Slot5.L7 J23_Slot6.A2 J23_Slot6.A4 J23_Slot6.A6 J23_Slot6.A8 J23_Slot6.C1 J23_Slot6.C3 J23_Slot6.C5 J23_Slot6.C7 J23_Slot6.D2 J23_Slot6.D4 J23_Slot6.D6 J23_Slot6.D8 J23_Slot6.F1 J23_Slot6.F3 J23_Slot6.F5 J23_Slot6.F7 J23_Slot6.G2 J23_Slot6.G4 J23_Slot6.G6 J23_Slot6.G8 J23_Slot6.I1 J23_Slot6.I3 J23_Slot6.I5 J23_Slot6.I7 J23_Slot6.J2 J23_Slot6.J4 J23_Slot6.J6 J23_Slot6.J8 J23_Slot6.L1 J23_Slot6.L3 J23_Slot6.L5 J23_Slot6.L7 J23_Slot7.A2 J23_Slot7.A4 J23_Slot7.A6 J23_Slot7.A8 J23_Slot7.C1 J23_Slot7.C3 J23_Slot7.C5 J23_Slot7.C7 J23_Slot7.D2 J23_Slot7.D4 J23_Slot7.D6 J23_Slot7.D8 J23_Slot7.F1 J23_Slot7.F3 J23_Slot7.F5 J23_Slot7.F7 J23_Slot7.G2 J23_Slot7.G4 J23_Slot7.G6 J23_Slot7.G8 J23_Slot7.I1 J23_Slot7.I3 J23_Slot7.I5 J23_Slot7.I7 J23_Slot7.J2 J23_Slot7.J4 J23_Slot7.J6 J23_Slot7.J8 J23_Slot7.L1 J23_Slot7.L3 J23_Slot7.L5 J23_Slot7.L7 J23_Slot8.A2 J23_Slot8.A4 J23_Slot8.A6 J23_Slot8.A8 J23_Slot8.C1 J23_Slot8.C3 J23_Slot8.C5 J23_Slot8.C7 J23_Slot8.D2 J23_Slot8.D4 J23_Slot8.D6 J23_Slot8.D8 J23_Slot8.F1 J23_Slot8.F3 J23_Slot8.F5 J23_Slot8.F7 J23_Slot8.G2 J23_Slot8.G4 J23_Slot8.G6 J23_Slot8.G8 J23_Slot8.I1 J23_Slot8.I3 J23_Slot8.I5 J23_Slot8.I7 J23_Slot8.J2 J23_Slot8.J4 J23_Slot8.J6 J23_Slot8.J8 J23_Slot8.L1 J23_Slot8.L3 J23_Slot8.L5 J23_Slot8.L7 J24_Slot1.A2 J24_Slot1.A4 J24_Slot1.A6 J24_Slot1.A8 J24_Slot1.C1 J24_Slot1.C3 J24_Slot1.C5 J24_Slot1.C7 J24_Slot1.D2 J24_Slot1.D4 J24_Slot1.D6 J24_Slot1.D8 J24_Slot1.F1 J24_Slot1.F3 J24_Slot1.F5 J24_Slot1.F7 J24_Slot1.G2 J24_Slot1.G4 J24_Slot1.G6 J24_Slot1.G8 J24_Slot1.I1 J24_Slot1.I3 J24_Slot1.I5 J24_Slot1.I7 J24_Slot1.J2 J24_Slot1.J4 J24_Slot1.J6 J24_Slot1.J8 J24_Slot1.L1 J24_Slot1.L3 J24_Slot1.L5 J24_Slot1.L7 J24_Slot2.A2 J24_Slot2.A4 J24_Slot2.A6 J24_Slot2.A8 J24_Slot2.C1 J24_Slot2.C3 J24_Slot2.C5 J24_Slot2.C7 J24_Slot2.D2 J24_Slot2.D4 J24_Slot2.D6 J24_Slot2.D8 J24_Slot2.F1 J24_Slot2.F3 J24_Slot2.F5 J24_Slot2.F7 J24_Slot2.G2 J24_Slot2.G4 J24_Slot2.G6 J24_Slot2.G8 J24_Slot2.I1 J24_Slot2.I3 J24_Slot2.I5 J24_Slot2.I7 J24_Slot2.J2 J24_Slot2.J4 J24_Slot2.J6 J24_Slot2.J8 J24_Slot2.L1 J24_Slot2.L3 J24_Slot2.L5 J24_Slot2.L7 J24_Slot3.A2 J24_Slot3.A4 J24_Slot3.A6 J24_Slot3.A8 J24_Slot3.C1 J24_Slot3.C3 J24_Slot3.C5 J24_Slot3.C7 J24_Slot3.D2 J24_Slot3.D4 J24_Slot3.D6 J24_Slot3.D8 J24_Slot3.F1 J24_Slot3.F3 J24_Slot3.F5 J24_Slot3.F7 J24_Slot3.G2 J24_Slot3.G4 J24_Slot3.G6 J24_Slot3.G8 J24_Slot3.I1 J24_Slot3.I3 J24_Slot3.I5 J24_Slot3.I7 J24_Slot3.J2 J24_Slot3.J4 J24_Slot3.J6 J24_Slot3.J8 J24_Slot3.L1 J24_Slot3.L3 J24_Slot3.L5 J24_Slot3.L7 J24_Slot4.A2 J24_Slot4.A4 J24_Slot4.A6 J24_Slot4.A8 J24_Slot4.C1 J24_Slot4.C3 J24_Slot4.C5 J24_Slot4.C7 J24_Slot4.D2 J24_Slot4.D4 J24_Slot4.D6 J24_Slot4.D8 J24_Slot4.F1 J24_Slot4.F3 J24_Slot4.F5 J24_Slot4.F7 J24_Slot4.G2 J24_Slot4.G4 J24_Slot4.G6 J24_Slot4.G8 J24_Slot4.I1 J24_Slot4.I3 J24_Slot4.I5 J24_Slot4.I7 J24_Slot4.J2 J24_Slot4.J4 J24_Slot4.J6 J24_Slot4.J8 J24_Slot4.L1 J24_Slot4.L3 J24_Slot4.L5 J24_Slot4.L7 J24_Slot5.A2 J24_Slot5.A4 J24_Slot5.A6 J24_Slot5.A8 J24_Slot5.C1 J24_Slot5.C3 J24_Slot5.C5 J24_Slot5.C7 J24_Slot5.D2 J24_Slot5.D4 J24_Slot5.D6 J24_Slot5.D8 J24_Slot5.F1 J24_Slot5.F3 J24_Slot5.F5 J24_Slot5.F7 J24_Slot5.G2 J24_Slot5.G4 J24_Slot5.G6 J24_Slot5.G8 J24_Slot5.I1 J24_Slot5.I3 J24_Slot5.I5 J24_Slot5.I7 J24_Slot5.J2 J24_Slot5.J4 J24_Slot5.J6 J24_Slot5.J8 J24_Slot5.L1 J24_Slot5.L3 J24_Slot5.L5 J24_Slot5.L7 J24_Slot6.A2 J24_Slot6.A4 J24_Slot6.A6 J24_Slot6.A8 J24_Slot6.C1 J24_Slot6.C3 J24_Slot6.C5 J24_Slot6.C7 J24_Slot6.D2 J24_Slot6.D4 J24_Slot6.D6 J24_Slot6.D8 J24_Slot6.F1 J24_Slot6.F3 J24_Slot6.F5 J24_Slot6.F7 J24_Slot6.G2 J24_Slot6.G4 J24_Slot6.G6 J24_Slot6.G8 J24_Slot6.I1 J24_Slot6.I3 J24_Slot6.I5 J24_Slot6.I7 J24_Slot6.J2 J24_Slot6.J4 J24_Slot6.J6 J24_Slot6.J8 J24_Slot6.L1 J24_Slot6.L3 J24_Slot6.L5 J24_Slot6.L7 J24_Slot7.A2 J24_Slot7.A4 J24_Slot7.A6 J24_Slot7.A8 J24_Slot7.C1 J24_Slot7.C3 J24_Slot7.C5 J24_Slot7.C7 J24_Slot7.D2 J24_Slot7.D4 J24_Slot7.D6 J24_Slot7.D8 J24_Slot7.F1 J24_Slot7.F3 J24_Slot7.F5 J24_Slot7.F7 J24_Slot7.G2 J24_Slot7.G4 J24_Slot7.G6 J24_Slot7.G8 J24_Slot7.I1 J24_Slot7.I3 J24_Slot7.I5 J24_Slot7.I7 J24_Slot7.J2 J24_Slot7.J4 J24_Slot7.J6 J24_Slot7.J8 J24_Slot7.L1 J24_Slot7.L3 J24_Slot7.L5 J24_Slot7.L7 J24_Slot8.A2 J24_Slot8.A4 J24_Slot8.A6 J24_Slot8.A8 J24_Slot8.C1 J24_Slot8.C3 J24_Slot8.C5 J24_Slot8.C7 J24_Slot8.D2 J24_Slot8.D4 J24_Slot8.D6 J24_Slot8.D8 J24_Slot8.F1 J24_Slot8.F3 J24_Slot8.F5 J24_Slot8.F7 J24_Slot8.G2 J24_Slot8.G4 J24_Slot8.G6 J24_Slot8.G8 J24_Slot8.I1 J24_Slot8.I3 J24_Slot8.I5 J24_Slot8.I7 J24_Slot8.J2 J24_Slot8.J4 J24_Slot8.J6 J24_Slot8.J8 J24_Slot8.L1 J24_Slot8.L3 J24_Slot8.L5 J24_Slot8.L7 NT2.2 R1.1 R2.1 R3.1 R4.1 R5.1 R6.1 R7.1 R8.1 R9.2 R10.2 R11.2 R12.2 R13.2 R14.2 

## Text inside footprints (layer, text, board x,y; h text height)
J23_Slot2: Drill Drawing "Diam. 0.5mm +/-0.05" at 54.75,60.05 h1; Drill Drawing "PRESS-FIT TECHNOLOGY" at 54.75,61.55 h1; Bottom Overlay "8" at 73.38,58.4 h1 r270; Bottom Overlay "7" at 73.38,56.4 h1 r270; Bottom Overlay "6" at 73.38,54.4 h1 r270; Bottom Overlay "5" at 73.38,52.4 h1 r270; Bottom Overlay "4" at 73.38,50.4 h1 r270; Bottom Overlay "3" at 73.38,48.4 h1 r270; Bottom Overlay "2" at 73.38,46.4 h1 r270; Bottom Overlay "1" at 73.38,44.4 h1 r270; Bottom Overlay "L" at 70.08,42.55 h1 r270; Bottom Overlay "K" at 68.68,42.55 h1 r270; Bottom Overlay "J" at 67.28,42.55 h1 r270; Bottom Overlay "I" at 65.88,42.8 h1 r270; Bottom Overlay "H" at 64.48,42.55 h1 r270; Bottom Overlay "G" at 63.08,42.55 h1 r270; Bottom Overlay "F" at 61.68,42.55 h1 r270; Bottom Overlay "E" at 60.28,42.55 h1 r270; Bottom Overlay "C" at 57.48,42.55 h1 r270; Bottom Overlay "D" at 58.88,42.55 h1 r270; Bottom Overlay "B" at 56.08,42.55 h1 r270; Bottom Overlay "A" at 54.68,42.55 h1 r270; Mechanical 14 "8" at 73.38,58.4 h1 r270; Mechanical 14 "7" at 73.38,56.4 h1 r270; Mechanical 14 "6" at 73.38,54.4 h1 r270; Mechanical 14 "5" at 73.38,52.4 h1 r270; Mechanical 14 "4" at 73.38,50.4 h1 r270; Mechanical 14 "3" at 73.38,48.4 h1 r270; Mechanical 14 "2" at 73.38,46.4 h1 r270; Mechanical 14 "1" at 73.38,44.4 h1 r270; Mechanical 14 "L" at 70.08,42.55 h1 r270; Mechanical 14 "K" at 68.68,42.55 h1 r270; Mechanical 14 "J" at 67.28,42.55 h1 r270; Mechanical 14 "I" at 65.88,42.8 h1 r270; Mechanical 14 "H" at 64.48,42.55 h1 r270; Mechanical 14 "G" at 63.08,42.55 h1 r270; Mechanical 14 "F" at 61.68,42.55 h1 r270; Mechanical 14 "E" at 60.28,42.55 h1 r270; Mechanical 14 "D" at 58.88,42.55 h1 r270; Mechanical 14 "C" at 57.48,42.55 h1 r270; Mechanical 14 "B" at 56.08,42.55 h1 r270; Mechanical 14 "A" at 54.68,42.55 h1 r270
J23_Slot3: Drill Drawing "Diam. 0.5mm +/-0.05" at 85.47,60.05 h1; Drill Drawing "PRESS-FIT TECHNOLOGY" at 85.47,61.55 h1; Bottom Overlay "8" at 103.86,58.4 h1 r270; Bottom Overlay "7" at 103.86,56.4 h1 r270; Bottom Overlay "6" at 103.86,54.4 h1 r270; Bottom Overlay "5" at 103.86,52.4 h1 r270; Bottom Overlay "4" at 103.86,50.4 h1 r270; Bottom Overlay "3" at 103.86,48.4 h1 r270; Bottom Overlay "2" at 103.86,46.4 h1 r270; Bottom Overlay "1" at 103.86,44.4 h1 r270; Bottom Overlay "L" at 100.56,42.55 h1 r270; Bottom Overlay "K" at 99.16,42.55 h1 r270; Bottom Overlay "J" at 97.76,42.55 h1 r270; Bottom Overlay "I" at 96.36,42.8 h1 r270; Bottom Overlay "H" at 94.96,42.55 h1 r270; Bottom Overlay "G" at 93.56,42.55 h1 r270; Bottom Overlay "F" at 92.16,42.55 h1 r270; Bottom Overlay "E" at 90.76,42.55 h1 r270; Bottom Overlay "C" at 87.96,42.55 h1 r270; Bottom Overlay "D" at 89.36,42.55 h1 r270; Bottom Overlay "B" at 86.56,42.55 h1 r270; Bottom Overlay "A" at 85.16,42.55 h1 r270; Mechanical 14 "8" at 103.86,58.4 h1 r270; Mechanical 14 "7" at 103.86,56.4 h1 r270; Mechanical 14 "6" at 103.86,54.4 h1 r270; Mechanical 14 "5" at 103.86,52.4 h1 r270; Mechanical 14 "4" at 103.86,50.4 h1 r270; Mechanical 14 "3" at 103.86,48.4 h1 r270; Mechanical 14 "2" at 103.86,46.4 h1 r270; Mechanical 14 "1" at 103.86,44.4 h1 r270; Mechanical 14 "L" at 100.56,42.55 h1 r270; Mechanical 14 "K" at 99.16,42.55 h1 r270; Mechanical 14 "J" at 97.76,42.55 h1 r270; Mechanical 14 "I" at 96.36,42.8 h1 r270; Mechanical 14 "H" at 94.96,42.55 h1 r270; Mechanical 14 "G" at 93.56,42.55 h1 r270; Mechanical 14 "F" at 92.16,42.55 h1 r270; Mechanical 14 "E" at 90.76,42.55 h1 r270; Mechanical 14 "D" at 89.36,42.55 h1 r270; Mechanical 14 "C" at 87.96,42.55 h1 r270; Mechanical 14 "B" at 86.56,42.55 h1 r270; Mechanical 14 "A" at 85.16,42.55 h1 r270
J23_Slot4: Drill Drawing "Diam. 0.5mm +/-0.05" at 115.49,60.05 h1; Drill Drawing "PRESS-FIT TECHNOLOGY" at 115.49,61.55 h1; Bottom Overlay "8" at 134.34,58.4 h1 r270; Bottom Overlay "7" at 134.34,56.4 h1 r270; Bottom Overlay "6" at 134.34,54.4 h1 r270; Bottom Overlay "5" at 134.34,52.4 h1 r270; Bottom Overlay "4" at 134.34,50.4 h1 r270; Bottom Overlay "3" at 134.34,48.4 h1 r270; Bottom Overlay "2" at 134.34,46.4 h1 r270; Bottom Overlay "1" at 134.34,44.4 h1 r270; Bottom Overlay "L" at 131.04,42.55 h1 r270; Bottom Overlay "K" at 129.64,42.55 h1 r270; Bottom Overlay "J" at 128.24,42.55 h1 r270; Bottom Overlay "I" at 126.84,42.8 h1 r270; Bottom Overlay "H" at 125.44,42.55 h1 r270; Bottom Overlay "G" at 124.04,42.55 h1 r270; Bottom Overlay "F" at 122.64,42.55 h1 r270; Bottom Overlay "E" at 121.24,42.55 h1 r270; Bottom Overlay "D" at 119.84,42.55 h1 r270; Bottom Overlay "C" at 118.44,42.55 h1 r270; Bottom Overlay "B" at 117.04,42.55 h1 r270; Bottom Overlay "A" at 115.64,42.55 h1 r270; Mechanical 14 "8" at 134.34,58.4 h1 r270; Mechanical 14 "7" at 134.34,56.4 h1 r270; Mechanical 14 "6" at 134.34,54.4 h1 r270; Mechanical 14 "5" at 134.34,52.4 h1 r270; Mechanical 14 "4" at 134.34,50.4 h1 r270; Mechanical 14 "3" at 134.34,48.4 h1 r270; Mechanical 14 "2" at 134.34,46.4 h1 r270; Mechanical 14 "1" at 134.34,44.4 h1 r270; Mechanical 14 "L" at 131.04,42.55 h1 r270; Mechanical 14 "K" at 129.64,42.55 h1 r270; Mechanical 14 "J" at 128.24,42.55 h1 r270; Mechanical 14 "I" at 126.84,42.8 h1 r270; Mechanical 14 "H" at 125.44,42.55 h1 r270; Mechanical 14 "G" at 124.04,42.55 h1 r270; Mechanical 14 "F" at 122.64,42.55 h1 r270; Mechanical 14 "E" at 121.24,42.55 h1 r270; Mechanical 14 "C" at 118.44,42.55 h1 r270; Mechanical 14 "D" at 119.84,42.55 h1 r270; Mechanical 14 "B" at 117.04,42.55 h1 r270; Mechanical 14 "A" at 115.64,42.55 h1 r270
J23_Slot5: Drill Drawing "Diam. 0.5mm +/-0.05" at 145.84,59.95 h1; Drill Drawing "PRESS-FIT TECHNOLOGY" at 145.84,61.45 h1; Bottom Overlay "8" at 164.82,58.4 h1 r270; Bottom Overlay "7" at 164.82,56.4 h1 r270; Bottom Overlay "6" at 164.82,54.4 h1 r270; Bottom Overlay "5" at 164.82,52.4 h1 r270; Bottom Overlay "4" at 164.82,50.4 h1 r270; Bottom Overlay "3" at 164.82,48.4 h1 r270; Bottom Overlay "2" at 164.82,46.4 h1 r270; Bottom Overlay "1" at 164.82,44.4 h1 r270; Bottom Overlay "L" at 161.52,42.55 h1 r270; Bottom Overlay "K" at 160.12,42.55 h1 r270; Bottom Overlay "J" at 158.72,42.55 h1 r270; Bottom Overlay "I" at 157.32,42.8 h1 r270; Bottom Overlay "H" at 155.92,42.55 h1 r270; Bottom Overlay "G" at 154.52,42.55 h1 r270; Bottom Overlay "F" at 153.12,42.55 h1 r270; Bottom Overlay "E" at 151.72,42.55 h1 r270; Bottom Overlay "D" at 150.32,42.55 h1 r270; Bottom Overlay "C" at 148.92,42.55 h1 r270; Bottom Overlay "B" at 147.52,42.55 h1 r270; Bottom Overlay "A" at 146.12,42.55 h1 r270; Mechanical 14 "8" at 164.82,58.4 h1 r270; Mechanical 14 "7" at 164.82,56.4 h1 r270; Mechanical 14 "6" at 164.82,54.4 h1 r270; Mechanical 14 "5" at 164.82,52.4 h1 r270; Mechanical 14 "4" at 164.82,50.4 h1 r270; Mechanical 14 "3" at 164.82,48.4 h1 r270; Mechanical 14 "2" at 164.82,46.4 h1 r270; Mechanical 14 "1" at 164.82,44.4 h1 r270; Mechanical 14 "L" at 161.52,42.55 h1 r270; Mechanical 14 "K" at 160.12,42.55 h1 r270; Mechanical 14 "J" at 158.72,42.55 h1 r270; Mechanical 14 "I" at 157.32,42.8 h1 r270; Mechanical 14 "H" at 155.92,42.55 h1 r270; Mechanical 14 "G" at 154.52,42.55 h1 r270; Mechanical 14 "F" at 153.12,42.55 h1 r270; Mechanical 14 "E" at 151.72,42.55 h1 r270; Mechanical 14 "C" at 148.92,42.55 h1 r270; Mechanical 14 "D" at 150.32,42.55 h1 r270; Mechanical 14 "B" at 147.52,42.55 h1 r270; Mechanical 14 "A" at 146.12,42.55 h1 r270
J23_Slot6: Drill Drawing "Diam. 0.5mm +/-0.05" at 176.33,60.05 h1; Drill Drawing "PRESS-FIT TECHNOLOGY" at 176.33,61.55 h1; Bottom Overlay "8" at 195.3,58.4 h1 r270; Bottom Overlay "7" at 195.3,56.4 h1 r270; Bottom Overlay "6" at 195.3,54.4 h1 r270; Bottom Overlay "5" at 195.3,52.4 h1 r270; Bottom Overlay "4" at 195.3,50.4 h1 r270; Bottom Overlay "3" at 195.3,48.4 h1 r270; Bottom Overlay "2" at 195.3,46.4 h1 r270; Bottom Overlay "1" at 195.3,44.4 h1 r270; Bottom Overlay "L" at 192,42.55 h1 r270; Bottom Overlay "K" at 190.6,42.55 h1 r270; Bottom Overlay "J" at 189.2,42.55 h1 r270; Bottom Overlay "I" at 187.8,42.8 h1 r270; Bottom Overlay "H" at 186.4,42.55 h1 r270; Bottom Overlay "G" at 185,42.55 h1 r270; Bottom Overlay "F" at 183.6,42.55 h1 r270; Bottom Overlay "E" at 182.2,42.55 h1 r270; Bottom Overlay "D" at 180.8,42.55 h1 r270; Bottom Overlay "C" at 179.4,42.55 h1 r270; Bottom Overlay "B" at 178,42.55 h1 r270; Bottom Overlay "A" at 176.6,42.55 h1 r270; Mechanical 14 "8" at 195.3,58.4 h1 r270; Mechanical 14 "7" at 195.3,56.4 h1 r270; Mechanical 14 "6" at 195.3,54.4 h1 r270; Mechanical 14 "5" at 195.3,52.4 h1 r270; Mechanical 14 "4" at 195.3,50.4 h1 r270; Mechanical 14 "3" at 195.3,48.4 h1 r270; Mechanical 14 "2" at 195.3,46.4 h1 r270; Mechanical 14 "1" at 195.3,44.4 h1 r270; Mechanical 14 "L" at 192,42.55 h1 r270; Mechanical 14 "K" at 190.6,42.55 h1 r270; Mechanical 14 "J" at 189.2,42.55 h1 r270; Mechanical 14 "I" at 187.8,42.8 h1 r270; Mechanical 14 "H" at 186.4,42.55 h1 r270; Mechanical 14 "G" at 185,42.55 h1 r270; Mechanical 14 "F" at 183.6,42.55 h1 r270; Mechanical 14 "E" at 182.2,42.55 h1 r270; Mechanical 14 "C" at 179.4,42.55 h1 r270; Mechanical 14 "D" at 180.8,42.55 h1 r270; Mechanical 14 "B" at 178,42.55 h1 r270; Mechanical 14 "A" at 176.6,42.55 h1 r270
J23_Slot7: Drill Drawing "PRESS-FIT TECHNOLOGY" at 206.35,61.55 h1; Drill Drawing "Diam. 0.5mm +/-0.05" at 206.35,60.05 h1; Bottom Overlay "8" at 225.78,58.4 h1 r270; Bottom Overlay "7" at 225.78,56.4 h1 r270; Bottom Overlay "6" at 225.78,54.4 h1 r270; Bottom Overlay "5" at 225.78,52.4 h1 r270; Bottom Overlay "4" at 225.78,50.4 h1 r270; Bottom Overlay "3" at 225.78,48.4 h1 r270; Bottom Overlay "2" at 225.78,46.4 h1 r270; Bottom Overlay "1" at 225.78,44.4 h1 r270; Bottom Overlay "L" at 222.48,42.55 h1 r270; Bottom Overlay "K" at 221.08,42.55 h1 r270; Bottom Overlay "J" at 219.68,42.55 h1 r270; Bottom Overlay "I" at 218.28,42.8 h1 r270; Bottom Overlay "H" at 216.88,42.55 h1 r270; Bottom Overlay "G" at 215.48,42.55 h1 r270; Bottom Overlay "F" at 214.08,42.55 h1 r270; Bottom Overlay "E" at 212.68,42.55 h1 r270; Bottom Overlay "C" at 209.88,42.55 h1 r270; Bottom Overlay "D" at 211.28,42.55 h1 r270; Bottom Overlay "B" at 208.48,42.55 h1 r270; Bottom Overlay "A" at 207.08,42.55 h1 r270; Mechanical 14 "8" at 225.78,58.4 h1 r270; Mechanical 14 "7" at 225.78,56.4 h1 r270; Mechanical 14 "6" at 225.78,54.4 h1 r270; Mechanical 14 "5" at 225.78,52.4 h1 r270; Mechanical 14 "4" at 225.78,50.4 h1 r270; Mechanical 14 "3" at 225.78,48.4 h1 r270; Mechanical 14 "2" at 225.78,46.4 h1 r270; Mechanical 14 "1" at 225.78,44.4 h1 r270; Mechanical 14 "L" at 222.48,42.55 h1 r270; Mechanical 14 "K" at 221.08,42.55 h1 r270; Mechanical 14 "J" at 219.68,42.55 h1 r270; Mechanical 14 "I" at 218.28,42.8 h1 r270; Mechanical 14 "H" at 216.88,42.55 h1 r270; Mechanical 14 "G" at 215.48,42.55 h1 r270; Mechanical 14 "F" at 214.08,42.55 h1 r270; Mechanical 14 "E" at 212.68,42.55 h1 r270; Mechanical 14 "D" at 211.28,42.55 h1 r270; Mechanical 14 "C" at 209.88,42.55 h1 r270; Mechanical 14 "B" at 208.48,42.55 h1 r270; Mechanical 14 "A" at 207.08,42.55 h1 r270
J23_Slot8: Drill Drawing "Diam. 0.5mm +/-0.05" at 237.54,59.95 h1; Drill Drawing "PRESS-FIT TECHNOLOGY" at 237.24,61.35 h1; Bottom Overlay "8" at 256.26,58.4 h1 r270; Bottom Overlay "7" at 256.26,56.4 h1 r270; Bottom Overlay "6" at 256.26,54.4 h1 r270; Bottom Overlay "5" at 256.26,52.4 h1 r270; Bottom Overlay "4" at 256.26,50.4 h1 r270; Bottom Overlay "3" at 256.26,48.4 h1 r270; Bottom Overlay "2" at 256.26,46.4 h1 r270; Bottom Overlay "1" at 256.26,44.4 h1 r270; Bottom Overlay "L" at 252.96,42.55 h1 r270; Bottom Overlay "K" at 251.56,42.55 h1 r270; Bottom Overlay "J" at 250.16,42.55 h1 r270; Bottom Overlay "I" at 248.76,42.8 h1 r270; Bottom Overlay "H" at 247.36,42.55 h1 r270; Bottom Overlay "G" at 245.96,42.55 h1 r270; Bottom Overlay "F" at 244.56,42.55 h1 r270; Bottom Overlay "E" at 243.16,42.55 h1 r270; Bottom Overlay "C" at 240.36,42.55 h1 r270; Bottom Overlay "D" at 241.76,42.55 h1 r270; Bottom Overlay "B" at 238.96,42.55 h1 r270; Bottom Overlay "A" at 237.56,42.55 h1 r270; Mechanical 14 "8" at 256.26,58.4 h1 r270; Mechanical 14 "7" at 256.26,56.4 h1 r270; Mechanical 14 "6" at 256.26,54.4 h1 r270; Mechanical 14 "5" at 256.26,52.4 h1 r270; Mechanical 14 "4" at 256.26,50.4 h1 r270; Mechanical 14 "3" at 256.26,48.4 h1 r270; Mechanical 14 "2" at 256.26,46.4 h1 r270; Mechanical 14 "1" at 256.26,44.4 h1 r270; Mechanical 14 "L" at 252.96,42.55 h1 r270; Mechanical 14 "K" at 251.56,42.55 h1 r270; Mechanical 14 "J" at 250.16,42.55 h1 r270; Mechanical 14 "I" at 248.76,42.8 h1 r270; Mechanical 14 "H" at 247.36,42.55 h1 r270; Mechanical 14 "G" at 245.96,42.55 h1 r270; Mechanical 14 "F" at 244.56,42.55 h1 r270; Mechanical 14 "E" at 243.16,42.55 h1 r270; Mechanical 14 "D" at 241.76,42.55 h1 r270; Mechanical 14 "C" at 240.36,42.55 h1 r270; Mechanical 14 "B" at 238.96,42.55 h1 r270; Mechanical 14 "A" at 237.56,42.55 h1 r270